# KiCad board 8851_HW-U1-VCU118_REV2-0_071417.kicad_pcb (continued)
## Placement (name value [footprint] x y rotation side) (continued)
R1201  -  [unnamed#2]  229.04 114.41 270 top
R1203  -  [unnamed#24]  177.26 73.69 0 top
R1204  -  [unnamed#34]  130.93 132.42 270 top
R1205  -  [unnamed#2]  227.79 114.41 270 top
R1206  -  [unnamed#2]  230.29 114.41 270 top
R1207  -  [unnamed#8]  165.95 136.65 0 top
R1208  -  [unnamed]  208.72 110.7 180 top
R1209  -  [unnamed]  208.72 100.45 180 top
R1210  -  [unnamed]  208.72 90.2 180 top
R1211  -  [unnamed#5]  180.3 64.27 90 top
R1212  -  [unnamed#5]  143.06 134.19 90 top
R1213  -  [unnamed#2]  175.87 43.06 270 top
R1214  -  [unnamed#8]  165.95 134.65 0 top
R1215  -  [unnamed#5]  223.01 107.34 90 top
R1216  -  [unnamed#8]  235.25 111.55 0 top
R1217  -  [unnamed#5]  180.11 46.64 90 top
R1218  -  [unnamed#5]  163.08 140.15 90 top
R1219  -  [unnamed]  235.25 112.8 180 top
R1220  -  [unnamed#8]  177.76 45.94 0 top
R1221  -  [unnamed#5]  163.08 137.54 90 top
R1222  -  [unnamed#8]  222.17 98.29 0 top
R1223  -  [unnamed#8]  230.04 99.16 0 top
R1224  -  [unnamed#8]  232.17 99.16 0 top
R1225  -  [unnamed#8]  234.29 99.16 0 top
R1226  -  [unnamed]  172.76 50.81 180 top
R1227  -  [unnamed]  159.7 133.9 180 top
R1228  -  [unnamed#23]  187.26 95.3 180 top
R1229  -  [unnamed#2]  172.87 43.06 270 top
R1230  -  [unnamed#5]  231.54 114.4 90 top
R1231  -  [unnamed#8]  172.29 56.95 0 top
R1232  -  [unnamed]  154.87 129.38 180 top
R1233  -  [unnamed#8]  169.12 49.19 0 top
R1234  -  [unnamed#5]  159.83 128.9 90 top
R1235  -  [unnamed#5]  232.79 114.41 90 top
R1236  -  [unnamed]  169.13 42.88 180 top
R1237  -  [unnamed#2]  166.14 128.92 270 top
R1238  -  [unnamed#2]  224.04 114.41 270 top
R1239  -  [unnamed#2]  171.87 43.06 270 top
R1240  -  [unnamed#8]  165.95 131.65 0 top
R1241  -  [unnamed#5]  224.26 109.47 90 top
R1244  -  [unnamed#8]  224.29 101.04 0 top
R1247  -  [unnamed#2]  178.76 64.61 270 top
R1248  -  [unnamed#8]  169.12 45.81 0 top
R1251  -  [unnamed#2]  141.43 134.17 270 top
R1252  -  [unnamed#5]  163.2 128.9 90 top
R1253  -  [unnamed#2]  225.17 98.91 270 top
R1254  -  [unnamed#2]  226.54 114.41 270 top
R1255  -  [unnamed]  169.12 49.19 180 top
R1256  -  [unnamed#2]  173.87 43.06 270 top
R1257  -  [unnamed#2]  159.83 128.9 270 top
R1258  -  [unnamed#8]  165.95 133.65 0 top
R1259  -  [unnamed]  169.12 44.69 180 top
R1260  -  [unnamed#2]  164.33 128.9 270 top
R1261  -  [unnamed#5]  223.01 109.47 90 top
R1262  -  [unnamed#8]  165.95 135.65 0 top
R1263  -  [unnamed]  169.13 43.86 180 top
R1264  -  [unnamed#2]  165.15 128.92 270 top
R1265  -  [unnamed#2]  225.29 114.41 270 top
R1266  -  [unnamed#8]  165.95 132.65 0 top
R1267  -  [unnamed#5]  229.42 101.66 90 top
R1268  -  [unnamed#5]  231.92 101.66 90 top
R1269  -  [unnamed#5]  234.42 101.66 90 top
R1270  -  [unnamed#5]  176.49 49.31 90 top
R1271  -  [unnamed]  159.7 136.28 180 top
R1272  -  [unnamed#5]  224.92 102.79 90 top
R1273  -  [unnamed]  169.12 46.94 180 top
R1274  -  [unnamed#2]  162.08 128.9 270 top
R1275  -  [unnamed#2]  214.21 110.62 270 top
R1276  -  [unnamed#2]  214.21 100.37 270 top
R1277  -  [unnamed#2]  214.21 90.12 270 top
R1278  -  [unnamed]  179.91 58.43 180 top
R1279  -  [unnamed#8]  149.57 133.73 0 top
R1280  -  [unnamed#2]  176.87 43.06 270 top
R1281  -  [unnamed#2]  174.87 43.06 270 top
R1288  -  [unnamed]  200.25 161.43 180 top
R1289  -  [unnamed]  134.56 100.89 180 top
R1290  -  [unnamed#8]  134.56 99.77 0 top
R1291  -  [unnamed#2]  114.95 31.2 270 top
R1292  -  [unnamed]  91.54 114.6 180 top
R1293  -  [unnamed#5]  155.5 18.3 90 top
R1317  -  [unnamed#3]  204.51 92.92 0 top
R1318  -  [unnamed#3]  204.51 103.17 0 top
R1319  -  [unnamed#3]  204.51 113.42 0 top
R1324  -  [unnamed#8]  6.72 86.37 0 top
R1325  -  [unnamed#8]  6.72 73.75 0 top
R1326  -  [unnamed]  82.22 41.48 180 top
R1327  -  [unnamed#5]  176.5 33.3 90 top
R1328  -  [unnamed#8]  140.64 23.27 0 top
RP2  -  [unnamed#92]  197.36 147.92 180 top
RP3  -  [unnamed#92]  197.36 151.42 180 top
SW1  -  [unnamed#102]  225.5 155.43 90 top
SW4  -  [unnamed#87]  94.5 132.05 0 top
SW5  -  [unnamed#130]  109.09 127.55 180 top
SW6  -  [unnamed#64]  202.85 24.37 270 top
SW7  -  [unnamed#130]  212.22 24.37 180 top
SW9  -  [unnamed#49]  221.6 24.37 90 top
SW10  -  [unnamed#87]  212.22 31.62 0 top
SW12  -  [unnamed#177]  59.45 69.26 90 top
SW14  -  [unnamed#49]  23.07 118.27 90 top
SW15  -  [unnamed#22]  20.95 108.41 270 top
SW16  -  [unnamed#7]  30.07 117.6 180 top
SW17  -  [unnamed#130]  212.22 17.12 180 top
U1  -  [unnamed#129]  116.38 64.81 90 top
U2  -  [unnamed#157]  44.93 3.44 0 top
U3  -  [unnamed#16]  58.49 55.2 90 top
U4  -  [unnamed#50]  213.06 47.23 180 top
U5  -  [unnamed#109]  136.72 22.45 90 top
U6  -  [unnamed#39]  208.44 63.5 0 top
U7  -  [unnamed#74]  36.22 137.41 270 top
U8  -  [unnamed#97]  191.95 62.8 90 top
U9  -  [unnamed#175]  156.37 113.37 270 top
U10  -  [unnamed#153]  46.15 135.22 270 top
U11  -  [unnamed#76]  210.59 84.58 180 top
U12  -  [unnamed#174]  143.61 111.1 0 top
U13  -  [unnamed#72]  34.43 67.54 180 top
U14  -  [unnamed#67]  34.25 82.55 180 top
U15  -  [unnamed#43]  217.75 150.66 90 top
U16  -  [unnamed#152]  207.52 132.44 180 top
U17  -  [unnamed#16]  58.49 30.03 90 top
U18  -  [unnamed#82]  200.59 17.91 180 top
U19  -  [unnamed#48]  57.34 141.89 0 top
U20  -  [unnamed#147]  58.16 41.37 0 top
U21  -  [unnamed#111]  34.86 75.09 270 top
U22  -  [unnamed#72]  50.25 77.92 180 top
U23  -  [unnamed#32]  143.72 117.73 270 top
U24  -  [unnamed#139]  61.42 86.65 180 top
U25  -  [unnamed#93]  124.67 138.59 270 top
U26  -  [unnamed#56]  64.38 150.3 180 top
U27  -  [unnamed#97]  186.68 153.62 90 top
U28  -  [unnamed#27]  52.97 141.99 180 top
U29  -  [unnamed#97]  221.79 64.38 90 top
U30  -  [unnamed#50]  178.31 135.35 180 top
U31  -  [unnamed#163]  172 38.05 0 top
U32  -  [unnamed#106]  112.69 24.61 90 top
U33  -  [unnamed#72]  53.62 77.92 180 top
U34  -  [unnamed#122]  15.9 66.72 0 top
U35  -  [unnamed#176]  185.46 117.53 180 top
U36  -  [unnamed#97]  170.59 65.53 90 top
U37  -  [unnamed#17]  129.29 127.49 0 top
U38  -  [unnamed#82]  94.44 24.45 180 top
U39  -  [unnamed#27]  119.38 113.34 180 top
U40  -  [unnamed#137]  119.01 120.58 180 top
U41  -  [unnamed#54]  216.38 72.17 180 top
U42  -  [unnamed#134]  227.28 82.7 270 top
U43  -  [unnamed#154]  148 21.4 0 top
U44  -  [unnamed#54]  43.55 75.55 180 top
U51  -  [unnamed#27]  203.61 148.05 180 top
U53  -  [unnamed#57]  129.06 15.32 180 top
U57  -  [unnamed#125]  83.74 23.23 270 top
U60  -  [unnamed#44]  73.58 38.03 90 top
U61  -  [unnamed#44]  73.58 65.78 90 top
U62  -  [unnamed#44]  73.58 93.53 90 top
U63  -  [unnamed#44]  73.58 79.66 90 top
U64  -  [unnamed#44]  73.58 51.91 90 top
U71  -  [unnamed#93]  187.96 165.8 270 top
U80  -  [unnamed#27]  136.71 118.01 180 top
U104  -  [unnamed#165]  104.72 23.49 90 top
U109  -  [unnamed#16]  26.31 119.01 90 top
U111  -  [unnamed#83]  15.65 132.45 270 top
U114  -  [unnamed#159]  18.32 108.35 90 top
U115  -  [unnamed#169]  13.43 159.56 180 top
U122  -  [unnamed#164]  161.95 19.19 270 top
U123  -  [unnamed#126]  49.93 50.4 270 top
U124  -  [unnamed#77]  13.69 115.94 0 top
U125  -  [unnamed#14]  38.88 104.5 0 top
U128  -  [unnamed#114]  31.25 109.2 270 top
U131  -  [unnamed#56]  10.68 66.34 180 top
U132  -  [unnamed#117]  137.44 151.34 90 top
U133  -  [unnamed#154]  148 21.4 0 top
U134  -  [unnamed#142]  144.28 101.98 90 top
U135  -  [unnamed#89]  158.62 47.99 270 top
U136  -  [unnamed#89]  158.62 61.87 270 top
U137  -  [unnamed#89]  158.62 75.74 270 top
U138  -  [unnamed#89]  158.62 89.62 270 top
U139  -  [unnamed#89]  158.62 33.87 270 top
U141  -  [unnamed#84]  92.25 114.98 0 top
U142  -  [unnamed#94]  74.63 114.83 270 top
U143  -  [unnamed#142]  56.27 130.48 90 top
U145  -  [unnamed#126]  49.93 25.23 270 top
U150  -  [unnamed#151]  44.48 120.37 90 top
U151  -  [unnamed#77]  58.73 118.93 0 top
U154  -  [unnamed#73]  6.92 163.02 180 top
U155  -  [unnamed#108]  25.8 137 180 top
U156  -  [unnamed#50]  185.7 26.35 180 top
U157  -  [unnamed#167]  172.35 16.06 180 top
U159  -  [unnamed#76]  210.59 115.33 180 top
U160  -  [unnamed#76]  210.59 105.08 180 top
U161  -  [unnamed#76]  210.59 94.83 180 top
U162  -  [unnamed#12]  184.61 62.25 90 top
U163  -  [unnamed#76]  145.16 138.28 180 top
U164  -  [unnamed#136]  231.47 107.49 90 top
U165  -  [unnamed#136]  175.24 45.94 90 top
U166  -  [unnamed#160]  163.08 135.03 180 top
U167  -  [unnamed#85]  136.5 105.42 270 top
X1  -  [unnamed#70]  7.86 69.64 270 top
X2  -  [unnamed#166]  28.87 142.28 270 top
X5  -  [unnamed#197]  81 29.11 180 top
X6  -  [unnamed#162]  163.7 24.07 180 top
X7  -  [unnamed#70]  7.86 82.27 270 top
Z1  -  [unnamed#187]  208.59 65.67 0 top
Z2  -  [unnamed#6]  201.34 57.67 0 top
Z3  -  [unnamed#6]  201.34 58.3 0 top
Z4  -  [unnamed#196]  142.44 31.32 270 top
Z5  -  [unnamed#196]  143.12 31.3 270 top
Z6  -  [unnamed#179]  187.26 110.93 90 top
Z7  -  [unnamed#179]  186.01 110.93 90 top
Z8  -  [unnamed#194]  176.25 34.88 180 top
Z14  -  [unnamed#6]  149.37 86.53 0 top
Z15  -  [unnamed#26]  178.16 133.18 180 top
Z16  -  [unnamed#6]  149.37 87.28 0 top
Z43  -  [unnamed#196]  83.38 97.67 270 top
Z65  -  [unnamed#194]  185.41 141.43 180 top
Z66  -  [unnamed#194]  185.41 140.8 180 top
Z86  -  [unnamed#194]  160.88 98.3 180 top
Z87  -  [unnamed#194]  92.25 104.92 180 top
Z88  -  [unnamed#184]  42.3 120.52 90 top
Z89  -  [unnamed#18]  49.25 112.15 90 top
Z90  -  [unnamed#18]  48.5 112.15 90 top
Z91  -  [unnamed#6]  103.05 114.11 0 top
Z92  -  [unnamed#6]  103.05 114.86 0 top
Z93  -  [unnamed#29]  158.55 113.22 270 top
Z94  -  [unnamed#26]  212.91 45.05 180 top
Z96  -  [unnamed#26]  182.58 33.97 180 top
Z97  -  [unnamed#196]  150.38 120.42 270 top
Z98  -  [unnamed#196]  151.12 120.42 270 top
Z101  -  [unnamed#18]  140.75 97.17 90 top
Z102  -  [unnamed#18]  140 97.17 90 top
Z103  -  [unnamed#194]  220.16 53.3 180 top
Z104  -  [unnamed#194]  220.16 52.68 180 top
Z107  -  [unnamed#6]  149.35 85.87 0 top
Z108  -  [unnamed#6]  149.35 85.12 0 top
Z115  -  [unnamed#18]  39.75 97.92 90 top
Z116  -  [unnamed#18]  38.72 97.95 90 top
Z117  -  [unnamed#194]  187.76 51.61 180 top
Z118  -  [unnamed#194]  187.76 50.82 180 top
Z119  -  [unnamed#184]  230.75 110.8 90 top
Z120  -  [unnamed#29]  172.76 45.96 270 top
Z121  -  [unnamed#187]  163.06 132.54 0 top
Z128  -  [unnamed#181]  138.25 101.67 0 top
Z129  -  [unnamed#181]  138.25 100.42 0 top
Z130  -  [unnamed#183]  137.88 30.43 180 top
Z131  -  [unnamed#183]  137.88 31.68 180 top
Z132  -  [unnamed#181]  130.5 100.8 0 top
Z133  -  [unnamed#181]  130.5 99.55 0 top

## Footprints (pads in the part's own frame, mm; a bottom-side part is the same pattern mirrored in y, then rotated)
unnamed
  rect 0.001x0.001 hole 0: 1(0.492,0) 2(-0.492,0)
unnamed#182
  round 0.001 hole 0: 1(0.5,0) 2(-0.5,0)
unnamed#183
  rect 0.001x0.001 hole 0: 1(0.492,0)
  round 0.001 hole 0: 2(-0.492,0)
unnamed#2
  rect 0.001x0.001 hole 0: 1(0,-0.492) 2(0,0.492)
unnamed#19
  round 0.001 hole 0: 1(0,-0.5) 2(0,0.5)
unnamed#3
  rect 0.001x0.001 hole 0: 1(-0.931,0) 2(0.931,0)
unnamed#4
  rect 0.001x0.001 hole 0: 1(0,0.781) 2(0,-0.781)
unnamed#184
  rect 0.001x0.001 hole 0: 1(0,0.838)
  round 0.001 hole 0: 2(0,-0.838)
unnamed#5
  rect 0.001x0.001 hole 0: 1(0,0.492) 2(0,-0.492)
unnamed#179
  rect 0.001x0.001 hole 0: 1(0,0.492)
  round 0.001 hole 0: 2(0,-0.492)
unnamed#6
  rect 0.001x0.001 hole 0: 1(-0.287,0)
  round 0.001 hole 0: 2(0.287,0)
unnamed#195
  rect 0.001x0.001 hole 0: 1(-0.287,0) 2(0.287,0)
unnamed#7
  rect 0.001x0.001 hole 0: 1(1.875,3.75) 2(0.625,3.75) 3(-0.625,3.75) 4(-1.875,3.75) 5(-1.875,-3.75) 6(-0.625,-3.75) 7(0.625,-3.75) 8(1.875,-3.75)
unnamed#8
  rect 0.001x0.001 hole 0: 1(-0.492,0) 2(0.492,0)
unnamed#180
  round 0.001 hole 0: 1(-0.5,0) 2(0.5,0)
unnamed#181
  rect 0.001x0.001 hole 0: 1(-0.492,0)
  round 0.001 hole 0: 2(0.492,0)
unnamed#9
  rect 0.001x0.001 hole 0: 1(-0.394,-0.394) 2(0.394,-0.394) 3(0,0.394)
unnamed#10
  rect 0.001x0.001 hole 0: 1(0.931,0) 2(-0.931,0)
unnamed#11
  rect 0.001x0.001 hole 0: 1(-0.394,0.394) 2(-0.394,-0.394) 3(0.394,0)
unnamed#12
  round 0.001 hole 0: 1(1.526,0.716) 2(0.541,1.103) 3(-0.443,1.103) 4(-1.427,1.103) 5(-2.411,1.103) 6(-1.919,-1.103) 7(-0.935,-1.103) 8(0.049,-1.103) 9(1.033,-1.103) 10(1.526,-1.653) 11(2.756,-1.205) 12(2.756,-0.713) 13(2.756,-0.22) 14(2.756,0.272) 15(2.756,0.764) 16(2.756,1.256)
  rect 0.001x0.001 hole 0: 17(4.183,0) 18(-4.148,1.55) 19(-4.148,-1.55)
unnamed#13
  rect 0.001x0.001 hole 0: 1(0,-0.287) 2(0,0.287)
unnamed#196
  rect 0.001x0.001 hole 0: 1(0,-0.287)
  round 0.001 hole 0: 2(0,0.287)
unnamed#14
  rect 0.001x0.001 hole 0: 1(-1.452,0.984) 2(-1.452,0.492) 3(-1.452,0) 4(-1.452,-0.492) 5(-1.452,-0.984) 6(1.452,-0.984) 7(1.452,-0.492) 8(1.452,0) 9(1.452,0.492) 10(1.452,0.984) 11(0,0)
unnamed#15
  rect 0.001x0.001 hole 0: 1(0,-0.738) 2(0,0.738)
unnamed#16
  rect 0.001x0.001 hole 0: 1(2.879,2.875) 2(2.239,2.875) 3(1.599,2.875) 4(0.96,2.875) 5(0.32,2.875) 6(-0.32,2.875) 7(-0.96,2.875) 8(-1.599,2.875) 9(-2.239,2.875) 10(-2.879,2.875) 11(-2.879,-2.875) 12(-2.239,-2.875) 13(-1.599,-2.875) 14(-0.96,-2.875) 15(-0.32,-2.875) 16(0.32,-2.875) 17(0.96,-2.875) 18(1.599,-2.875) 19(2.239,-2.875) 20(2.879,-2.875)
unnamed#17
  rect 0.001x0.001 hole 0: 1(-2.138,0.985) 2(-2.138,0.493) 3(-2.138,0) 4(-2.138,-0.493) 5(-2.138,-0.985) 6(2.138,-0.985) 7(2.138,-0.493) 8(2.138,0) 9(2.138,0.493) 10(2.138,0.985)
unnamed#18
  rect 0.001x0.001 hole 0: 1(0,0.287)
  round 0.001 hole 0: 2(0,-0.287)
unnamed#193
  rect 0.001x0.001 hole 0: 1(0,0.287) 2(0,-0.287)
unnamed#20
  rect 0.001x0.001 hole 0: 1(0,-0.985) 2(0,0.985)
unnamed#21
  rect 0.001x0.001 hole 0: 1(0.287,0) 2(-0.287,0)
unnamed#194
  rect 0.001x0.001 hole 0: 1(0.287,0)
  round 0.001 hole 0: 2(-0.287,0)
unnamed#22
  rect 0.001x0.001 hole 0: 1(3.75,-1.875) 2(3.75,-0.625) 3(3.75,0.625) 4(3.75,1.875) 5(-3.75,1.875) 6(-3.75,0.625) 7(-3.75,-0.625) 8(-3.75,-1.875)
unnamed#23
  rect 0.001x0.001 hole 0: 1(1.606,0) 2(-1.606,0)
unnamed#24
  rect 0.001x0.001 hole 0: 1(-1.606,0) 2(1.606,0)
unnamed#25
  round 0.001 hole 1: 1(0,0)
unnamed#191
  round 0.001 hole 3.125: 1(0,0)
unnamed#26
  rect 0.001x0.001 hole 0: 1(0.838,0)
  round 0.001 hole 0: 2(-0.838,0)
unnamed#185
  rect 0.001x0.001 hole 0: 1(0.781,0) 2(-0.781,0)
unnamed#27
  rect 0.001x0.001 hole 0: 1(2.874,-3.519) 2(2.874,-2.879) 3(2.874,-2.239) 4(2.874,-1.599) 5(2.874,-0.96) 6(2.874,-0.32) 7(2.874,0.32) 8(2.874,0.96) 9(2.874,1.599) 10(2.874,2.239) 11(2.874,2.879) 12(2.874,3.519) 13(-2.874,3.519) 14(-2.874,2.879) 15(-2.874,2.239) 16(-2.874,1.599) 17(-2.874,0.96) 18(-2.874,0.32) 19(-2.874,-0.32) 20(-2.874,-0.96) 21(-2.874,-1.599) 22(-2.874,-2.239) 23(-2.874,-2.879) 24(-2.874,-3.519)
unnamed#28
  rect 0.001x0.001 hole 0: 1(0,0.738) 2(0,-0.738)
unnamed#29
  rect 0.001x0.001 hole 0: 1(0,-0.838)
  round 0.001 hole 0: 2(0,0.838)
unnamed#189
  rect 0.001x0.001 hole 0: 1(0,-0.781) 2(0,0.781)
unnamed#190
  rect 0.001x0.001 hole 0: 1(0,-0.812) 2(0,0.812)
unnamed#30
  rect 0.001x0.001 hole 0: 1(0,1.821) 2(0,-1.821)
unnamed#31
  rect 0.001x0.001 hole 0: 1(1.15,0) 2(-1.15,0)
unnamed#32
  rect 0.001x0.001 hole 0: 1(-0.985,-2.138) 2(-0.493,-2.138) 3(0,-2.138) 4(0.493,-2.138) 5(0.985,-2.138) 6(0.985,2.138) 7(0.493,2.138) 8(0,2.138) 9(-0.493,2.138) 10(-0.985,2.138)
unnamed#33
  rect 0.001x0.001 hole 0: 1(0,-0.931) 2(0,0.931)
unnamed#34
  rect 0.001x0.001 hole 0: 1(0,-1.606) 2(0,1.606)
unnamed#35
  rect 0.001x0.001 hole 0: 1(-0.781,0) 2(0.781,0)
unnamed#186
  rect 0.001x0.001 hole 0: 1(-0.812,0) 2(0.812,0)
unnamed#187
  rect 0.001x0.001 hole 0: 1(-0.838,0)
  round 0.001 hole 0: 2(0.838,0)
unnamed#36
  rect 0.001x0.001 hole 0: 1(0,1.606) 2(0,-1.606)
unnamed#37
  rect 0.001x0.001 hole 0: 1(-0.738,0) 2(0.738,0)
unnamed#38
  rect 0.001x0.001 hole 0: 1(0.935,1.083) 2(-0.935,1.083) 3(0,-1.083)
unnamed#39
  rect 0.001x0.001 hole 0: 1(-2.377,1.722) 2(-2.377,1.23) 3(-2.377,0.738) 4(-2.377,0.246) 5(-2.377,-0.246) 6(-2.377,-0.738) 7(-2.377,-1.23) 8(-2.377,-1.722) 9(-1.722,-2.377) 10(-1.23,-2.377) 11(-0.738,-2.377) 12(-0.246,-2.377) 13(0.246,-2.377) 14(0.738,-2.377) 15(1.23,-2.377) 16(1.722,-2.377) 17(2.377,-1.722) 18(2.377,-1.23) 19(2.377,-0.738) 20(2.377,-0.246) 21(2.377,0.246) 22(2.377,0.738) 23(2.377,1.23) 24(2.377,1.722) 25(1.722,2.377) 26(1.23,2.377) 27(0.738,2.377) 28(0.246,2.377) 29(-0.246,2.377) 30(-0.738,2.377) 31(-1.23,2.377) 32(-1.722,2.377) 33(0,0)
unnamed#40
  rect 0.001x0.001 hole 0: 1(0,0.984) 2(0,-0.984)
unnamed#41
  rect 0.001x0.001 hole 0: 1(0.394,-0.394) 2(0.394,0.394) 3(-0.394,0)
unnamed#42
  rect 0.001x0.001 hole 0: 1(0,-1.688) 2(0,1.688)
unnamed#43
  rect 0.001x0.001 hole 0: 1(-1.2,0.935) 2(-1.2,0) 3(-1.2,-0.935) 4(1.2,-0.935) 5(1.2,0) 6(1.2,0.935)
unnamed#44
  round 0.001 hole 0: A1(-5.905,-3.15) A2(-5.905,-2.362) A3(-5.905,-1.575) A7(-5.905,1.575) A8(-5.905,2.362) A9(-5.905,3.15) B1(-5.118,-3.15) B2(-5.118,-2.362) B3(-5.118,-1.575) B7(-5.118,1.575) B8(-5.118,2.362) B9(-5.118,3.15) C1(-4.331,-3.15) C2(-4.331,-2.362) C3(-4.331,-1.575) C7(-4.331,1.575) C8(-4.331,2.362) C9(-4.331,3.15) D1(-3.543,-3.15) D2(-3.543,-2.362) D3(-3.543,-1.575) D7(-3.543,1.575) D8(-3.543,2.362) D9(-3.543,3.15) E1(-2.756,-3.15) E2(-2.756,-2.362) E3(-2.756,-1.575) E7(-2.756,1.575) E8(-2.756,2.362) E9(-2.756,3.15) F1(-1.968,-3.15) F2(-1.968,-2.362) F3(-1.968,-1.575) F7(-1.968,1.575) F8(-1.968,2.362) F9(-1.968,3.15) G1(-1.181,-3.15) G2(-1.181,-2.362) G3(-1.181,-1.575) G7(-1.181,1.575) G8(-1.181,2.362) G9(-1.181,3.15) H1(-0.394,-3.15) H2(-0.394,-2.362) H3(-0.394,-1.575) H7(-0.394,1.575) H8(-0.394,2.362) H9(-0.394,3.15) J1(0.394,-3.15) J2(0.394,-2.362) J3(0.394,-1.575) J7(0.394,1.575) J8(0.394,2.362) J9(0.394,3.15) K1(1.181,-3.15) K2(1.181,-2.362) K3(1.181,-1.575) K7(1.181,1.575) K8(1.181,2.362) K9(1.181,3.15) L1(1.968,-3.15) L2(1.968,-2.362) L3(1.968,-1.575) L7(1.968,1.575) L8(1.968,2.362) L9(1.968,3.15) M1(2.756,-3.15) M2(2.756,-2.362) M3(2.756,-1.575) M7(2.756,1.575) M8(2.756,2.362) M9(2.756,3.15) N1(3.543,-3.15) N2(3.543,-2.362) N3(3.543,-1.575) N7(3.543,1.575) N8(3.543,2.362) N9(3.543,3.15) P1(4.331,-3.15) P2(4.331,-2.362) P3(4.331,-1.575) P7(4.331,1.575) P8(4.331,2.362) P9(4.331,3.15) R1(5.118,-3.15) R2(5.118,-2.362) R3(5.118,-1.575) R7(5.118,1.575) R8(5.118,2.362) R9(5.118,3.15) T1(5.905,-3.15) T2(5.905,-2.362) T3(5.905,-1.575) T7(5.905,1.575) T8(5.905,2.362) T9(5.905,3.15)
unnamed#45
  rect 0.001x0.001 hole 0: 1(0,-1.821) 2(0,1.821)
unnamed#46
  rect 0.001x0.001 hole 0: 1(2.092,-5.905) 2(-2.092,-5.905) 3(2.092,-3.937) 4(-2.092,-3.937) 5(2.092,-1.968) 6(-2.092,-1.968) 7(2.092,0) 8(-2.092,0) 9(2.092,1.968) 10(-2.092,1.968) 11(2.092,3.937) 12(-2.092,3.937) 13(2.092,5.905) 14(-2.092,5.905)
unnamed#47
  round 0.001 hole 0: A1(24.375,-5.625) A2(23.125,-5.625) A3(21.875,-5.625) A4(20.625,-5.625) A5(19.375,-5.625) A6(18.125,-5.625) A7(16.875,-5.625) A8(15.625,-5.625) A9(14.375,-5.625) A10(13.125,-5.625) A11(11.875,-5.625) A12(10.625,-5.625) A13(9.375,-5.625) A14(8.125,-5.625) A15(6.875,-5.625) A16(5.625,-5.625) A17(4.375,-5.625) A18(3.125,-5.625) A19(1.875,-5.625) A20(0.625,-5.625) A21(-0.625,-5.625) A22(-1.875,-5.625) A23(-3.125,-5.625) A24(-4.375,-5.625) A25(-5.625,-5.625) A26(-6.875,-5.625) A27(-8.125,-5.625) A28(-9.375,-5.625) A29(-10.625,-5.625) A30(-11.875,-5.625) A31(-13.125,-5.625) A32(-14.375,-5.625) A33(-15.625,-5.625) A34(-16.875,-5.625) A35(-18.125,-5.625) A36(-19.375,-5.625) A37(-20.625,-5.625) A38(-21.875,-5.625) A39(-23.125,-5.625) A40(-24.375,-5.625) B1(24.375,-4.375) B2(23.125,-4.375) B3(21.875,-4.375) B4(20.625,-4.375) B5(19.375,-4.375) B6(18.125,-4.375) B7(16.875,-4.375) B8(15.625,-4.375) B9(14.375,-4.375) B10(13.125,-4.375) B11(11.875,-4.375) B12(10.625,-4.375) B13(9.375,-4.375) B14(8.125,-4.375) B15(6.875,-4.375) B16(5.625,-4.375) B17(4.375,-4.375) B18(3.125,-4.375) B19(1.875,-4.375) B20(0.625,-4.375) B21(-0.625,-4.375) B22(-1.875,-4.375) B23(-3.125,-4.375) B24(-4.375,-4.375) B25(-5.625,-4.375) B26(-6.875,-4.375) B27(-8.125,-4.375) B28(-9.375,-4.375) B29(-10.625,-4.375) B30(-11.875,-4.375) B31(-13.125,-4.375) B32(-14.375,-4.375) B33(-15.625,-4.375) B34(-16.875,-4.375) B35(-18.125,-4.375) B36(-19.375,-4.375) B37(-20.625,-4.375) B38(-21.875,-4.375) B39(-23.125,-4.375) B40(-24.375,-4.375) C1(24.375,-3.125) C2(23.125,-3.125) C3(21.875,-3.125) C4(20.625,-3.125) C5(19.375,-3.125) C6(18.125,-3.125) C7(16.875,-3.125) C8(15.625,-3.125) C9(14.375,-3.125) C10(13.125,-3.125) C11(11.875,-3.125) C12(10.625,-3.125) C13(9.375,-3.125) C14(8.125,-3.125) C15(6.875,-3.125) C16(5.625,-3.125) C17(4.375,-3.125) C18(3.125,-3.125) C19(1.875,-3.125) C20(0.625,-3.125) C21(-0.625,-3.125) C22(-1.875,-3.125) C23(-3.125,-3.125) C24(-4.375,-3.125) C25(-5.625,-3.125) C26(-6.875,-3.125) C27(-8.125,-3.125) C28(-9.375,-3.125) C29(-10.625,-3.125) C30(-11.875,-3.125) C31(-13.125,-3.125) C32(-14.375,-3.125) C33(-15.625,-3.125) C34(-16.875,-3.125) C35(-18.125,-3.125) C36(-19.375,-3.125) C37(-20.625,-3.125) C38(-21.875,-3.125) C39(-23.125,-3.125) C40(-24.375,-3.125) D1(24.375,-1.875) D2(23.125,-1.875) D3(21.875,-1.875) D4(20.625,-1.875) D5(19.375,-1.875) D6(18.125,-1.875) D7(16.875,-1.875) D8(15.625,-1.875) D9(14.375,-1.875) D10(13.125,-1.875) D11(11.875,-1.875) D12(10.625,-1.875) D13(9.375,-1.875) D14(8.125,-1.875) D15(6.875,-1.875) D16(5.625,-1.875) D17(4.375,-1.875) D18(3.125,-1.875) D19(1.875,-1.875) D20(0.625,-1.875) D21(-0.625,-1.875) D22(-1.875,-1.875) D23(-3.125,-1.875) D24(-4.375,-1.875) D25(-5.625,-1.875) D26(-6.875,-1.875) D27(-8.125,-1.875) D28(-9.375,-1.875) D29(-10.625,-1.875) D30(-11.875,-1.875) D31(-13.125,-1.875) D32(-14.375,-1.875) D33(-15.625,-1.875) D34(-16.875,-1.875) D35(-18.125,-1.875) D36(-19.375,-1.875) D37(-20.625,-1.875) D38(-21.875,-1.875) D39(-23.125,-1.875) D40(-24.375,-1.875) E1(24.375,-0.625) E2(23.125,-0.625) E3(21.875,-0.625) E4(20.625,-0.625) E5(19.375,-0.625) E6(18.125,-0.625) E7(16.875,-0.625) E8(15.625,-0.625) E9(14.375,-0.625) E10(13.125,-0.625) E11(11.875,-0.625) E12(10.625,-0.625) E13(9.375,-0.625) E14(8.125,-0.625) E15(6.875,-0.625) E16(5.625,-0.625) E17(4.375,-0.625) E18(3.125,-0.625) E19(1.875,-0.625) E20(0.625,-0.625) E21(-0.625,-0.625) E22(-1.875,-0.625) E23(-3.125,-0.625) E24(-4.375,-0.625) E25(-5.625,-0.625) E26(-6.875,-0.625) E27(-8.125,-0.625) E28(-9.375,-0.625) E29(-10.625,-0.625) E30(-11.875,-0.625) E31(-13.125,-0.625) E32(-14.375,-0.625) E33(-15.625,-0.625) E34(-16.875,-0.625) E35(-18.125,-0.625) E36(-19.375,-0.625) E37(-20.625,-0.625) E38(-21.875,-0.625) E39(-23.125,-0.625) E40(-24.375,-0.625) F1(24.375,0.625) F2(23.125,0.625) F3(21.875,0.625) F4(20.625,0.625) F5(19.375,0.625) F6(18.125,0.625) F7(16.875,0.625) F8(15.625,0.625) F9(14.375,0.625) F10(13.125,0.625) F11(11.875,0.625) F12(10.625,0.625) F13(9.375,0.625) F14(8.125,0.625) F15(6.875,0.625) F16(5.625,0.625) F17(4.375,0.625) F18(3.125,0.625) F19(1.875,0.625) F20(0.625,0.625) F21(-0.625,0.625) F22(-1.875,0.625) F23(-3.125,0.625) F24(-4.375,0.625) F25(-5.625,0.625) F26(-6.875,0.625) F27(-8.125,0.625) F28(-9.375,0.625) F29(-10.625,0.625) F30(-11.875,0.625) F31(-13.125,0.625) F32(-14.375,0.625) F33(-15.625,0.625) F34(-16.875,0.625) F35(-18.125,0.625) F36(-19.375,0.625) F37(-20.625,0.625) F38(-21.875,0.625) F39(-23.125,0.625) F40(-24.375,0.625) G1(24.375,1.875) G2(23.125,1.875) G3(21.875,1.875) G4(20.625,1.875) G5(19.375,1.875) G6(18.125,1.875) G7(16.875,1.875) G8(15.625,1.875) G9(14.375,1.875) G10(13.125,1.875) G11(11.875,1.875) G12(10.625,1.875) G13(9.375,1.875) G14(8.125,1.875) G15(6.875,1.875) G16(5.625,1.875) G17(4.375,1.875) G18(3.125,1.875) G19(1.875,1.875) G20(0.625,1.875) G21(-0.625,1.875) G22(-1.875,1.875) G23(-3.125,1.875) G24(-4.375,1.875) G25(-5.625,1.875) G26(-6.875,1.875) G27(-8.125,1.875) G28(-9.375,1.875) G29(-10.625,1.875) G30(-11.875,1.875) G31(-13.125,1.875) G32(-14.375,1.875) G33(-15.625,1.875) G34(-16.875,1.875) G35(-18.125,1.875) G36(-19.375,1.875) G37(-20.625,1.875) G38(-21.875,1.875) G39(-23.125,1.875) G40(-24.375,1.875) H1(24.375,3.125) H2(23.125,3.125) H3(21.875,3.125) H4(20.625,3.125) H5(19.375,3.125) H6(18.125,3.125) H7(16.875,3.125) H8(15.625,3.125) H9(14.375,3.125) H10(13.125,3.125) H11(11.875,3.125) H12(10.625,3.125) H13(9.375,3.125) H14(8.125,3.125) H15(6.875,3.125) H16(5.625,3.125) H17(4.375,3.125) H18(3.125,3.125) H19(1.875,3.125) H20(0.625,3.125) H21(-0.625,3.125) H22(-1.875,3.125) H23(-3.125,3.125) H24(-4.375,3.125) H25(-5.625,3.125) H26(-6.875,3.125) H27(-8.125,3.125) H28(-9.375,3.125) H29(-10.625,3.125) H30(-11.875,3.125) H31(-13.125,3.125) H32(-14.375,3.125) H33(-15.625,3.125) H34(-16.875,3.125) H35(-18.125,3.125) H36(-19.375,3.125) H37(-20.625,3.125) H38(-21.875,3.125) H39(-23.125,3.125) H40(-24.375,3.125) J1(24.375,4.375) J2(23.125,4.375) J3(21.875,4.375) J4(20.625,4.375) J5(19.375,4.375) J6(18.125,4.375) J7(16.875,4.375) J8(15.625,4.375) J9(14.375,4.375) J10(13.125,4.375) J11(11.875,4.375) J12(10.625,4.375) J13(9.375,4.375) J14(8.125,4.375) J15(6.875,4.375) J16(5.625,4.375) J17(4.375,4.375) J18(3.125,4.375) J19(1.875,4.375) J20(0.625,4.375) J21(-0.625,4.375) J22(-1.875,4.375) J23(-3.125,4.375) J24(-4.375,4.375) J25(-5.625,4.375) J26(-6.875,4.375) J27(-8.125,4.375) J28(-9.375,4.375) J29(-10.625,4.375) J30(-11.875,4.375) J31(-13.125,4.375) J32(-14.375,4.375) J33(-15.625,4.375) J34(-16.875,4.375) J35(-18.125,4.375) J36(-19.375,4.375) J37(-20.625,4.375) J38(-21.875,4.375) J39(-23.125,4.375) J40(-24.375,4.375) K1(24.375,5.625) K2(23.125,5.625) K3(21.875,5.625) K4(20.625,5.625) K5(19.375,5.625) K6(18.125,5.625) K7(16.875,5.625) K8(15.625,5.625) K9(14.375,5.625) K10(13.125,5.625) K11(11.875,5.625) K12(10.625,5.625) K13(9.375,5.625) K14(8.125,5.625) K15(6.875,5.625) K16(5.625,5.625) K17(4.375,5.625) K18(3.125,5.625) K19(1.875,5.625) K20(0.625,5.625) K21(-0.625,5.625) K22(-1.875,5.625) K23(-3.125,5.625) K24(-4.375,5.625) K25(-5.625,5.625) K26(-6.875,5.625) K27(-8.125,5.625) K28(-9.375,5.625) K29(-10.625,5.625) K30(-11.875,5.625) K31(-13.125,5.625) K32(-14.375,5.625) K33(-15.625,5.625) K34(-16.875,5.625) K35(-18.125,5.625) K36(-19.375,5.625) K37(-20.625,5.625) K38(-21.875,5.625) K39(-23.125,5.625) K40(-24.375,5.625) L1(24.375,6.875) L2(23.125,6.875) L3(21.875,6.875) L4(20.625,6.875) L5(19.375,6.875) L6(18.125,6.875) L7(16.875,6.875) L8(15.625,6.875) L9(14.375,6.875) L10(13.125,6.875) L11(11.875,6.875) L12(10.625,6.875) L13(9.375,6.875) L14(8.125,6.875) L15(6.875,6.875) L16(5.625,6.875) L17(4.375,6.875) L18(3.125,6.875) L19(1.875,6.875) L20(0.625,6.875) L21(-0.625,6.875) L22(-1.875,6.875) L23(-3.125,6.875) L24(-4.375,6.875) L25(-5.625,6.875) L26(-6.875,6.875) L27(-8.125,6.875) L28(-9.375,6.875) L29(-10.625,6.875) L30(-11.875,6.875) L31(-13.125,6.875) L32(-14.375,6.875) L33(-15.625,6.875) L34(-16.875,6.875) L35(-18.125,6.875) L36(-19.375,6.875) L37(-20.625,6.875) L38(-21.875,6.875) L39(-23.125,6.875) L40(-24.375,6.875) M1(24.375,8.125) M2(23.125,8.125) M3(21.875,8.125) M4(20.625,8.125) M5(19.375,8.125) M6(18.125,8.125) M7(16.875,8.125) M8(15.625,8.125) M9(14.375,8.125) M10(13.125,8.125) M11(11.875,8.125) M12(10.625,8.125) M13(9.375,8.125) M14(8.125,8.125) M15(6.875,8.125) M16(5.625,8.125) M17(4.375,8.125) M18(3.125,8.125) M19(1.875,8.125) M20(0.625,8.125) M21(-0.625,8.125) M22(-1.875,8.125) M23(-3.125,8.125) M24(-4.375,8.125) M25(-5.625,8.125) M26(-6.875,8.125) M27(-8.125,8.125) M28(-9.375,8.125) M29(-10.625,8.125) M30(-11.875,8.125) M31(-13.125,8.125) M32(-14.375,8.125) M33(-15.625,8.125) M34(-16.875,8.125) M35(-18.125,8.125) M36(-19.375,8.125) M37(-20.625,8.125) M38(-21.875,8.125) M39(-23.125,8.125) M40(-24.375,8.125) Y1(24.375,-8.125) Y2(23.125,-8.125) Y3(21.875,-8.125) Y4(20.625,-8.125) Y5(19.375,-8.125) Y6(18.125,-8.125) Y7(16.875,-8.125) Y8(15.625,-8.125) Y9(14.375,-8.125) Y10(13.125,-8.125) Y11(11.875,-8.125) Y12(10.625,-8.125) Y13(9.375,-8.125) Y14(8.125,-8.125) Y15(6.875,-8.125) Y16(5.625,-8.125) Y17(4.375,-8.125) Y18(3.125,-8.125) Y19(1.875,-8.125) Y20(0.625,-8.125) Y21(-0.625,-8.125) Y22(-1.875,-8.125) Y23(-3.125,-8.125) Y24(-4.375,-8.125) Y25(-5.625,-8.125) Y26(-6.875,-8.125) Y27(-8.125,-8.125) Y28(-9.375,-8.125) Y29(-10.625,-8.125) Y30(-11.875,-8.125) Y31(-13.125,-8.125) Y32(-14.375,-8.125) Y33(-15.625,-8.125) Y34(-16.875,-8.125) Y35(-18.125,-8.125) Y36(-19.375,-8.125) Y37(-20.625,-8.125) Y38(-21.875,-8.125) Y39(-23.125,-8.125) Y40(-24.375,-8.125) Z1(24.375,-6.875) Z2(23.125,-6.875) Z3(21.875,-6.875) Z4(20.625,-6.875) Z5(19.375,-6.875) Z6(18.125,-6.875) Z7(16.875,-6.875) Z8(15.625,-6.875) Z9(14.375,-6.875) Z10(13.125,-6.875) Z11(11.875,-6.875) Z12(10.625,-6.875) Z13(9.375,-6.875) Z14(8.125,-6.875) Z15(6.875,-6.875) Z16(5.625,-6.875) Z17(4.375,-6.875) Z18(3.125,-6.875) Z19(1.875,-6.875) Z20(0.625,-6.875) Z21(-0.625,-6.875) Z22(-1.875,-6.875) Z23(-3.125,-6.875) Z24(-4.375,-6.875) Z25(-5.625,-6.875) Z26(-6.875,-6.875) Z27(-8.125,-6.875) Z28(-9.375,-6.875) Z29(-10.625,-6.875) Z30(-11.875,-6.875) Z31(-13.125,-6.875) Z32(-14.375,-6.875) Z33(-15.625,-6.875) Z34(-16.875,-6.875) Z35(-18.125,-6.875) Z36(-19.375,-6.875) Z37(-20.625,-6.875) Z38(-21.875,-6.875) Z39(-23.125,-6.875) Z40(-24.375,-6.875)
  round 0.001 hole 2.65: ST1(-30.988,1.973) ST2(31.012,1.973)
